# KiCad board Relay-Module.kicad_pcb

Outline 150.11 x 73.91 mm; copper layers: Top, Bottom (plane). Coordinates in mm from the lower left corner of the outline.
Outline path: circle c4.57,69.34 r1.75 ; circle c4.57,4.57 r1.75 ; circle c145.54,69.34 r1.75 ; circle c145.54,4.57 r1.75 ; 0,69.34 0,4.57 arc(1.34,1.34) 4.57,0 145.54,0 arc(148.77,1.34) 150.11,4.57 150.11,69.34 arc(148.77,72.57) 145.54,73.91 4.57,73.91 arc(1.34,72.57) 0,69.34

## Placement (name value [footprint] x y rotation side)
D1  SB5100-T  [D_DO-15_P12.70mm_Horizontal]  13.34 36.45 270 top
D2  SB5100-T  [D_DO-15_P12.70mm_Horizontal]  29.84 36.45 270 top
D3  SB5100-T  [D_DO-15_P12.70mm_Horizontal]  46.35 36.45 270 top
D4  SB5100-T  [D_DO-15_P12.70mm_Horizontal]  62.87 36.45 270 top
D5  SB5100-T  [D_DO-15_P12.70mm_Horizontal]  79.38 36.45 270 top
D6  SB5100-T  [D_DO-15_P12.70mm_Horizontal]  95.89 36.45 270 top
D7  SB5100-T  [D_DO-15_P12.70mm_Horizontal]  112.4 36.45 270 top
D8  SB5100-T  [D_DO-15_P12.70mm_Horizontal]  128.91 36.45 270 top
J1  -  [0039301039]  17.14 8.51 180 top
J2  -  [0039301039]  33.65 8.51 180 top
J3  -  [0039281023]  13.34 65.66 90 top
J4  -  [0039281023]  20.95 65.66 90 top
J5  -  [0039281023]  29.84 65.66 90 top
J6  -  [0039281023]  37.46 65.66 90 top
J7  -  [0039281023]  20.95 30.1 270 top
J8  -  [0039281023]  37.46 30.1 270 top
J9  -  [0039301039]  50.16 8.51 180 top
J10  -  [0039301039]  66.68 8.51 180 top
J11  -  [0039281023]  46.35 65.66 90 top
J12  -  [0039281023]  53.98 65.66 90 top
J13  -  [0039281023]  62.87 65.66 90 top
J14  -  [0039281023]  70.48 65.66 90 top
J15  -  [0039281023]  53.98 30.1 270 top
J16  -  [0039281023]  70.48 30.1 270 top
J17  -  [0039301039]  83.19 8.51 180 top
J18  -  [0039301039]  99.69 8.51 180 top
J19  -  [0039281023]  79.38 65.66 90 top
J20  -  [0039281023]  87 65.66 90 top
J21  -  [0039281023]  95.89 65.66 90 top
J22  -  [0039281023]  103.5 65.66 90 top
J23  -  [0039281023]  87 30.1 270 top
J24  -  [0039281023]  103.5 30.1 270 top
J25  -  [0039301039]  116.21 8.51 180 top
J26  -  [0039301039]  132.72 8.51 180 top
J27  -  [0039281023]  112.4 65.66 90 top
J28  -  [0039281023]  120.02 65.66 90 top
J29  -  [0039281023]  128.91 65.66 90 top
J30  -  [0039281023]  136.53 65.66 90 top
J31  -  [0039281023]  120.02 30.1 270 top
J32  -  [0039281023]  136.53 30.1 270 top
K1  -  [T77S1D3-05]  17.14 49.15 270 top
K2  -  [T77S1D3-05]  33.65 49.15 270 top
K3  -  [T77S1D3-05]  50.16 49.15 270 top
K4  -  [T77S1D3-05]  66.68 49.15 270 top
K5  -  [T77S1D3-05]  83.19 49.15 270 top
K6  -  [T77S1D3-05]  99.69 49.15 270 top
K7  -  [T77S1D3-05]  116.21 49.15 270 top
K8  -  [T77S1D3-05]  132.72 49.15 270 top
LOGO  -  [LOGO]  1.27 43.43 90 top

## Footprints (pads in the part's own frame, mm; a bottom-side part is the same pattern mirrored in y, then rotated)
0039281023
  round 2.794 hole 1.397: 1(-2.794,0) 2(2.794,0)
0039301039
  round 2.997 hole 2.997 unplated: (-4.191,3.861) (2.108,-5.537)
  round 2.794 hole 1.397: 1(-4.191,0) 2(0,0) 3(4.191,0)
D_DO-15_P12.70mm_Horizontal
  rect 2.4x2.4 hole 1.2: 1(0,0)
  oval 2.4x2.4 hole 1.2: 2(12.7,0)
T77S1D3-05
  round 2.794 hole 1.397: 1(-7.62,3.81) 2(-7.62,-3.81) 3(7.62,3.81) 4(5.08,-3.81)

## Nets
GND: J1.3 J2.3 J9.3 J10.3 J17.3 J18.3 J25.3 J26.3
Net-(D1-Pad1): D1.1 J1.2 K1.4
Net-(D1-Pad2): D1.2 J1.1 J7.2
Net-(D2-Pad1): D2.1 J2.2 K2.4
Net-(D2-Pad2): D2.2 J2.1 J8.2
Net-(D3-Pad1): D3.1 J9.2 K3.4
Net-(D3-Pad2): D3.2 J9.1 J15.2
Net-(D4-Pad1): D4.1 J10.2 K4.4
Net-(D4-Pad2): D4.2 J10.1 J16.2
Net-(D5-Pad1): D5.1 J17.2 K5.4
Net-(D5-Pad2): D5.2 J17.1 J23.2
Net-(D6-Pad1): D6.1 J18.2 K6.4
Net-(D6-Pad2): D6.2 J18.1 J24.2
Net-(D7-Pad1): D7.1 J25.2 K7.4
Net-(D7-Pad2): D7.2 J25.1 J31.2
Net-(D8-Pad1): D8.1 J26.2 K8.4
Net-(D8-Pad2): D8.2 J26.1 J32.2
Net-(J3-Pad1): J3.1 J4.1 K1.1
Net-(J3-Pad2): J3.2 J4.2 K1.2
Net-(J5-Pad1): J5.1 J6.1 K2.1
Net-(J5-Pad2): J5.2 J6.2 K2.2
Net-(J7-Pad1): J7.1 K1.3
Net-(J8-Pad1): J8.1 K2.3
Net-(J11-Pad1): J11.1 J12.1 K3.1
Net-(J11-Pad2): J11.2 J12.2 K3.2
Net-(J13-Pad1): J13.1 J14.1 K4.1
Net-(J13-Pad2): J13.2 J14.2 K4.2
Net-(J15-Pad1): J15.1 K3.3
Net-(J16-Pad1): J16.1 K4.3
Net-(J19-Pad1): J19.1 J20.1 K5.1
Net-(J19-Pad2): J19.2 J20.2 K5.2
Net-(J21-Pad1): J21.1 J22.1 K6.1
Net-(J21-Pad2): J21.2 J22.2 K6.2
Net-(J23-Pad1): J23.1 K5.3
Net-(J24-Pad1): J24.1 K6.3
Net-(J27-Pad1): J27.1 J28.1 K7.1
Net-(J27-Pad2): J27.2 J28.2 K7.2
Net-(J29-Pad1): J29.1 J30.1 K8.1
Net-(J29-Pad2): J29.2 J30.2 K8.2
Net-(J31-Pad1): J31.1 K7.3
Net-(J32-Pad1): J32.1 K8.3

## Routing (per net, layer and track width the routed paths; a pad name or vN(x,y) marks a point on that pad's centre or on a via; arc(x,y) is an arc through that point)
Net-(D1-Pad1): length 39.8
  Top w0.762: 13.34,44.07 D1.1 10.16,33.27 10.16,15.49 J1.2
Net-(D1-Pad2): length 26.5
  Top w0.762: J1.1 21.34,15.75 15.37,21.72 ; D1.2 15.37,21.72 ; 15.37,21.72 J7.2
Net-(D2-Pad1): length 39.8
  Top w0.762: 29.84,44.07 D2.1 26.67,33.27 26.67,15.49 J2.2
Net-(D2-Pad2): length 26.5
  Top w0.762: J2.1 37.85,15.75 31.88,21.72 ; D2.2 31.88,21.72 ; 31.88,21.72 J8.2
Net-(D3-Pad1): length 39.8
  Top w0.762: 46.35,44.07 D3.1 43.18,33.27 43.18,15.49 J9.2
Net-(D3-Pad2): length 26.5
  Top w0.762: J9.1 54.36,15.75 48.39,21.72 ; 48.39,21.72 J15.2 ; 48.39,21.72 D3.2
Net-(D4-Pad1): length 39.8
  Top w0.762: J10.2 59.69,15.49 59.69,33.27 D4.1 62.87,44.07
Net-(D4-Pad2): length 26.5
  Top w0.762: J10.1 70.87,15.75 64.9,21.72 ; 64.9,21.72 J16.2 ; 64.9,21.72 D4.2
Net-(D5-Pad1): length 39.8
  Top w0.762: 79.38,44.07 D5.1 76.2,33.27 76.2,15.49 J17.2
Net-(D5-Pad2): length 26.5
  Top w0.762: 81.41,21.72 87.38,15.75 J17.1 ; 81.41,21.72 J23.2 ; 81.41,21.72 D5.2
Net-(D6-Pad1): length 39.8
  Top w0.762: J18.2 92.71,15.49 92.71,33.27 D6.1 95.89,44.07
Net-(D6-Pad2): length 26.5
  Top w0.762: J18.1 103.89,15.75 97.92,21.72 ; 97.92,21.72 J24.2 ; 97.92,21.72 D6.2
Net-(D7-Pad1): length 40.1
  Top w0.762: 116.21,8.86 J25.2 109.22,15.49 109.22,33.27 D7.1 112.4,44.07
Net-(D7-Pad2): length 26.5
  Top w0.762: J25.1 120.4,15.75 114.43,21.72 ; 114.43,21.72 D7.2 ; 114.43,21.72 J31.2
Net-(D8-Pad1): length 39.8
  Top w0.762: J26.2 125.73,15.49 125.73,33.27 D8.1 128.91,44.07
Net-(D8-Pad2): length 26.5
  Top w0.762: 131.06,21.59 131.06,21.84 J32.2 ; 131.06,21.59 D8.2 ; 131.06,21.59 136.91,15.75 J26.1
Net-(J3-Pad1): length 15.3
  Bottom w0.762: J3.1 17.14,62.86 ; 17.14,62.86 17.14,60.58 20.95,56.77 ; 17.14,62.86 J4.1
Net-(J3-Pad2): length 22.5
  Bottom w0.762: J4.2 J3.2 9.52,64.64 9.52,60.58 13.34,56.77
Net-(J5-Pad1): length 15.3
  Bottom w0.762: J5.1 33.65,62.86 ; 33.65,62.86 J6.1 ; 33.65,62.86 33.65,60.58 37.46,56.77
Net-(J5-Pad2): length 22.5
  Bottom w0.762: 29.84,56.77 26.04,60.58 26.04,64.64 J5.2 J6.2
Net-(J7-Pad1): length 8.6
  Top w0.762: K1.3 20.95,32.89
Net-(J8-Pad1): length 8.6
  Top w0.762: K2.3 37.46,32.89
Net-(J11-Pad1): length 15.3
  Bottom w0.762: 50.16,62.86 J12.1 ; 50.16,62.86 50.16,60.58 53.98,56.77 ; 50.16,62.86 J11.1
Net-(J11-Pad2): length 22.5
  Bottom w0.762: 46.35,56.77 42.54,60.58 42.54,64.64 J11.2 J12.2
Net-(J13-Pad1): length 15.3
  Bottom w0.762: 66.68,62.86 J14.1 ; 66.68,62.86 J13.1 ; 66.68,62.86 66.68,60.58 70.48,56.77
Net-(J13-Pad2): length 22.5
  Bottom w0.762: J14.2 J13.2 59.05,64.64 59.05,60.58 62.87,56.77
Net-(J15-Pad1): length 8.6
  Top w0.762: K3.3 53.98,32.89
Net-(J16-Pad1): length 8.6
  Top w0.762: 70.48,41.53 70.48,32.89
Net-(J19-Pad1): length 15.3
  Bottom w0.762: J19.1 83.19,62.86 ; 83.19,62.86 J20.1 ; 83.19,62.86 83.19,60.58 87,56.77
Net-(J19-Pad2): length 22.5
  Bottom w0.762: J20.2 J19.2 75.56,64.64 75.56,60.58 79.38,56.77
Net-(J21-Pad1): length 15.3
  Bottom w0.762: 103.5,56.77 99.69,60.58 99.69,62.86 ; 99.69,62.86 J21.1 ; 99.69,62.86 J22.1
Net-(J21-Pad2): length 22.5
  Bottom w0.762: J22.2 J21.2 92.08,64.64 92.08,60.58 95.89,56.77
Net-(J23-Pad1): length 8.6
  Top w0.762: K5.3 87,32.89
Net-(J24-Pad1): length 8.6
  Top w0.762: K6.3 103.5,32.89
Net-(J27-Pad1): length 15.3
  Bottom w0.762: 116.21,62.86 116.21,60.58 120.02,56.77 ; 116.21,62.86 J27.1 ; 116.21,62.86 J28.1
Net-(J27-Pad2): length 22.5
  Bottom w0.762: J28.2 J27.2 108.59,64.64 108.59,60.58 112.4,56.77
Net-(J29-Pad1): length 15.3
  Bottom w0.762: 136.53,56.77 132.72,60.58 132.72,62.86 ; J29.1 132.72,62.86 ; 132.72,62.86 J30.1
Net-(J29-Pad2): length 22.2
  Bottom w0.762: J30.2 J29.2 125.35,64.9 125.35,60.32 128.91,56.77
Net-(J31-Pad1): length 8.6
  Top w0.762: K7.3 120.02,32.89
Net-(J32-Pad1): length 8.6
  Top w0.762: K8.3 136.53,32.89

## Copper pours and planes (outline as drawn; the poured copper is in the pictures)
GND on Top: 155.83,-3.43 -2.41,-5.21 -0.89,75.31 155.58,78.36
GND on Bottom: 151.13,-1.91 -1.91,-2.67 -0.76,75.18 152.27,76.33

## Text on the board
F.SilkS: Missouri S&T Rocket Design Team / Relay Module - Rev. A / 08/28/2021
